# Allegro board 038RT-9068CJK8E-A100_0921_1.brd (continued)
## Routing (per net, layer and track width the routed paths; a pad name or vN(x,y) marks a point on that pad's centre or on a via; arc(x,y) is an arc through that point) (continued)
S3_U4PI_P5_MDI-: length 68.8
  L11_SIGNAL w0.1: v2(672.13,350.52) 672.33,350.32 676.33,350.32 676.86,350.85 676.86,351.54 674.8,353.6 674.8,357.15 673.58,358.37 667.81,358.37 666.6,359.58 666.6,362.66 667.68,363.73 675.72,363.73 680.25,359.21 680.25,353.79 681.34,352.7 687.97,352.7 688.58,352.08 688.58,344.3 688.27,343.99 686.43,343.99 686.33,343.89 UNK3MQS1.4
  BOTTOM w0.105: v2(672.13,350.52) 671.98,350.37 669.53,350.37 UNK3U17.48
S3_U4PI_P6_MDI+: length 50.4
  L11_SIGNAL w0.1: v2(672.13,346.76) 671.93,346.96 670.32,346.96 669.73,346.36 669.73,344.87 669.41,344.56 662.57,344.56 662.26,344.24 662.26,341.84 662.68,341.42 673.99,341.42 674.28,341.72 674.28,347.59 674.69,348 676.11,348 676.55,347.56 676.55,344.55 676.76,344.35 679.08,344.35 679.26,344.53 679.26,344.68 679.43,344.86 679.68,344.86 679.86,344.68 679.86,344.53 680.03,344.35 680.28,344.35 680.46,344.53 680.46,344.68 680.63,344.86 680.88,344.86 681.06,344.68 681.06,344.53 681.24,344.35 683.69,344.35 683.79,344.45 UNK3MQS1.12
  BOTTOM w0.105: UNK3U17.55 669.53,346.91 671.98,346.91 v2(672.13,346.76)
S3_U4PI_P6_MDI-: length 50.4
  L11_SIGNAL w0.1: v2(672.13,347.52) 671.93,347.32 670.17,347.32 669.36,346.51 669.36,345.02 669.26,344.92 662.42,344.92 661.89,344.39 661.89,341.69 662.53,341.06 674.14,341.06 674.65,341.57 674.65,347.44 674.84,347.63 675.96,347.63 676.19,347.4 676.19,344.4 676.61,343.99 683.69,343.99 683.79,343.89 UNK3MQS1.13
  BOTTOM w0.105: UNK3U17.54 669.53,347.37 671.98,347.37 v2(672.13,347.52)
S3_U4PILB_P0_MDI+: length 153.3
  L15_SIGNAL w0.1: v2(666.89,325.71) 666.69,325.91 665.75,325.91 665.36,326.29 665.36,327.33 665.82,327.79 668.57,327.79 669.49,328.7 669.49,335.57 668.1,336.96 657.96,336.96 657.27,336.27 657.27,314.9 656.08,313.71 649.78,313.71 648.69,314.8 648.69,354.66 650.59,356.56 655.35,356.56 657.15,354.76 657.15,342.33 659.42,340.06 666.79,340.06 669.49,342.76 669.49,346.06 669.99,346.56 669.99,351.76 668.8,352.96 667.09,352.96 v2(666.89,352.76)
  BOTTOM w0.105: v2(666.89,352.76) 667.04,352.91 669.49,352.91 UNK3U17.43 ; UNK3U18.59 669.49,325.86 667.04,325.86 v2(666.89,325.71)
S3_U4PILB_P0_MDI-: length 153.3
  L15_SIGNAL w0.1: v2(666.89,326.47) 666.69,326.27 665.9,326.27 665.73,326.44 665.73,327.18 665.97,327.43 668.72,327.43 669.85,328.55 669.85,335.72 668.25,337.32 657.81,337.32 656.91,336.42 656.91,315.05 655.93,314.08 649.93,314.08 649.05,314.95 649.05,354.51 650.74,356.19 655.2,356.19 656.78,354.61 656.78,342.18 659.27,339.69 666.94,339.69 669.85,342.61 669.85,345.91 670.36,346.41 670.36,351.91 668.95,353.32 667.09,353.32 v2(666.89,353.52)
  BOTTOM w0.105: v2(666.89,353.52) 667.04,353.37 669.49,353.37 UNK3U17.42 ; v2(666.89,326.47) 667.04,326.32 669.49,326.32 UNK3U18.58
S3_U4PILB_P1_MDI+: length 138.7
  L17_SIGNAL w0.1: v2(666.89,328.71) 667.09,328.91 668.87,328.91 669.18,328.6 669.18,323.47 668.41,322.7 664.46,322.7 663.78,322.02 663.78,317.73 664.54,316.98 674.11,316.98 674.72,317.59 674.72,338.03 675.21,338.52 676.01,338.52 676.34,338.19 676.34,332.21 676.87,331.68 678.43,331.68 678.85,332.11 678.85,339.43 678.07,340.21 678.07,359.45 677.61,359.91 675.42,359.91 674.85,359.35 674.85,341.47 674.1,340.71 670.33,340.71 669.48,341.57 669.48,354.04 668.75,354.77 666.82,354.77 666.33,355.26 666.33,355.86 666.43,355.96 666.69,355.96 v2(666.89,355.76)
  BOTTOM w0.105: UNK3U18.53 669.49,328.86 667.04,328.86 v2(666.89,328.71) ; UNK3U17.37 669.49,355.91 667.04,355.91 v2(666.89,355.76)
S3_U4PILB_P1_MDI-: length 138.7
  L17_SIGNAL w0.1: v2(666.89,356.52) 666.69,356.32 666.28,356.32 665.97,356.01 665.97,355.11 666.67,354.41 668.6,354.41 669.12,353.89 669.12,341.42 670.18,340.35 674.25,340.35 675.22,341.32 675.22,359.2 675.57,359.55 677.46,359.55 677.7,359.3 677.7,340.06 678.48,339.28 678.48,332.26 678.27,332.05 677.02,332.05 676.7,332.36 676.7,338.34 676.16,338.88 675.06,338.88 674.36,338.18 674.36,317.74 673.96,317.34 664.69,317.34 664.15,317.88 664.15,321.87 664.61,322.33 668.57,322.33 669.55,323.32 669.55,328.75 669.02,329.27 667.09,329.27 v2(666.89,329.47)
  BOTTOM w0.105: UNK3U18.52 669.49,329.32 667.04,329.32 v2(666.89,329.47) ; UNK3U17.36 669.49,356.37 667.04,356.37 v2(666.89,356.52)
S3_U4PILB_P5_MDI+: length 182.9
  L15_SIGNAL w0.1: v2(665.74,331.02) 665.55,331.22 664.56,331.22 663.87,331.91 662.27,331.91 661.82,331.46 661.82,320.97 662.67,320.12 672.42,320.12 672.9,319.63 672.9,316.07 672.08,315.25 667.22,315.25 666.76,314.79 666.76,311.93 667.09,311.6 672.76,311.6 673.65,310.71 673.65,309.42 672.88,308.65 647.7,308.65 646.49,309.86 646.49,358.39 647.6,359.5 661.29,359.5 662.05,358.75 662.05,342.24 662.67,341.62 663.98,341.62 664.33,341.97 664.33,345.65 665.09,346.41 667.13,346.41 667.55,346.83 668.33,346.83 668.62,347.11 668.62,349.58 667.93,350.27 665.94,350.27 v2(665.74,350.07)
  BOTTOM w0.105: v2(665.74,331.02) 665.89,331.17 667.92,331.17 668.6,331.86 669.49,331.86 UNK3U18.47 ; UNK3U17.47 669.49,350.91 668.6,350.91 667.92,350.22 665.89,350.22 v2(665.74,350.07)
S3_U4PILB_P5_MDI-: length 182.9
  L15_SIGNAL w0.1: v2(665.74,331.78) 665.55,331.58 664.71,331.58 664.02,332.27 662.12,332.27 661.46,331.61 661.46,320.81 662.52,319.75 672.27,319.75 672.54,319.48 672.54,316.23 671.93,315.62 667.07,315.62 666.39,314.94 666.39,311.78 666.94,311.24 672.61,311.24 673.29,310.56 673.29,309.57 672.73,309.02 647.85,309.02 646.86,310.01 646.86,358.24 647.75,359.14 661.14,359.14 661.69,358.6 661.69,342.09 662.52,341.26 664.13,341.26 664.69,341.82 664.69,345.49 665.24,346.04 667.28,346.04 667.7,346.46 668.49,346.46 668.98,346.96 668.98,349.73 668.08,350.63 665.94,350.63 v2(665.74,350.83)
  BOTTOM w0.105: v2(665.74,350.83) 665.89,350.69 667.73,350.69 668.41,351.37 669.49,351.37 UNK3U17.46 ; v2(665.74,331.78) 665.89,331.64 667.73,331.64 668.41,332.32 669.49,332.32 UNK3U18.46
S3_U4PILB_P6_MDI+: length 130.6
  L17_SIGNAL w0.1: v2(666.89,347.76) 666.69,347.96 665.9,347.96 665.8,347.86 665.8,340.71 665.34,340.24 657.64,340.24 656.61,341.26 656.61,358.84 656.07,359.38 653.08,359.38 652.52,358.82 652.52,319.85 653.66,318.71 655.18,318.71 655.91,319.44 655.91,321.08 656.47,321.63 657.61,321.63 658.25,321 658.25,318.98 658.51,318.71 660.82,318.71 661.51,319.4 661.51,336.6 662.2,337.29 664.87,337.29 665.57,336.6 669.6,336.6 669.95,336.25 669.95,334.27 669.59,333.91 667.09,333.91 v2(666.89,333.71)
  BOTTOM w0.105: v2(666.89,333.71) 667.04,333.86 669.49,333.86 UNK3U18.43 ; v2(666.89,347.76) 667.04,347.91 669.49,347.91 UNK3U17.53
S3_U4PILB_P6_MDI-: length 130.6
  L17_SIGNAL w0.1: v2(666.89,348.52) 666.69,348.32 665.75,348.32 665.44,348.01 665.44,340.86 665.18,340.6 657.79,340.6 656.98,341.42 656.98,358.99 656.22,359.75 652.93,359.75 652.16,358.97 652.16,319.7 653.5,318.35 655.33,318.35 656.28,319.29 656.28,320.93 656.62,321.27 657.46,321.27 657.88,320.85 657.88,318.83 658.36,318.35 660.97,318.35 661.87,319.25 661.87,336.45 662.35,336.93 664.72,336.93 665.42,336.24 669.45,336.24 669.59,336.1 669.59,334.42 669.44,334.27 667.09,334.27 v2(666.89,334.47)
  BOTTOM w0.105: UNK3U17.52 669.49,348.37 667.04,348.37 v2(666.89,348.52) ; v2(666.89,334.47) 667.04,334.32 669.49,334.32 UNK3U18.42
S3_U6_VDD: length 19.6
  BOTTOM w0.305: v2(660.46,169.34) 660.01,168.9 UNK3U6.15 ; v2(660.46,164.52) 660.34,164.4 UNK3U6.24 ; UNK3U6.2 v2(657.55,175.4) ; UNK3U6.20 v2(660.46,166.4) ; UNK3U6.8 v2(660.46,172.4) ; v2(660.46,160.84) 660.4,160.9 UNK3U6.31 ; v2(649.92,172.4) 650.42,171.9 UNK3U6.56 ; v2(649.92,164.2) 650.22,163.9 UNK3U6.40 ; UNK3U6.26 660.31,163.4 v2(660.46,163.25) ; UNK3U6.64 v2(652.8,175.9) ; UNK3U6.33 652.55,160.4 v2(652.8,160.15) ; v2(660.46,168.07) 660.13,168.4 UNK3U6.16 ; UNK3U6.11 v2(660.46,170.9)
  vias: v2(654.54,142.88) v2(655.81,142.88) v2(657.08,142.88) v2(658.35,142.88)
S3_U17_VDD: length 35.4
  BOTTOM w0.305: UNK3U18.56 670.99,327.34 v2(670.99,327.34) ; v2(670.99,346.39) 670.99,346.39 UNK3U17.56 ; UNK3U18.31 663.28,338.34 v2(663.28,338.34) ; UNK3U17.31 663.28,357.39 v2(663.28,357.39) ; v2(663.28,326.84) 663.28,326.84 UNK3U18.8 ; v2(663.28,354.89) 663.28,354.89 UNK3U17.26 ; v2(670.99,342.39) 670.99,342.39 UNK3U17.64 ; UNK3U17.16 662.99,349.89 v2(663.11,350.01) ; UNK3U18.33 668.03,338.84 v2(668.03,338.84) ; v2(663.24,342.77) 663.13,342.89 UNK3U17.2 ; UNK3U17.20 660.32,351.89 v2(660.32,351.89) ; UNK3U18.16 662.99,330.84 v2(663.11,330.96) ; v2(660.32,347.39) 660.32,347.39 UNK3U17.11 ; v2(660.32,328.34) 660.32,328.34 UNK3U18.11 ; UNK3U18.2 663.13,323.84 v2(663.24,323.72) ; v2(660.32,349.25) 660.46,349.39 UNK3U17.15 ; v2(660.32,332.84) 660.32,332.84 UNK3U18.20 ; v2(660.32,353.89) 660.32,353.89 UNK3U17.24 ; v2(663.28,345.89) 663.28,345.89 UNK3U17.8 ; UNK3U18.24 660.32,334.84 v2(660.32,334.84) ; UNK3U17.40 670.99,354.39 v2(670.99,354.39) ; UNK3U18.40 670.99,335.34 v2(670.99,335.34) ; v2(660.32,330.2) 660.46,330.34 UNK3U18.15 ; v2(663.28,335.84) 663.28,335.84 UNK3U18.26
  vias: v2(666.29,321.25) v2(667.56,321.25) v2(668.83,359.98) v2(668.83,321.25) v2(670.1,359.98) v2(670.1,321.25)
S3_VBAT:
  vias: v1(402.9,268.62) v2(531.44,447.57) v2(531.44,446.3) v2(531.44,445.03) v2(531.44,441.22) v2(531.44,438.04) v2(531.44,436.77) v2(531.44,435.5) v2(647.83,405.59) v2(647.83,403.05) v2(647.83,400.51) v2(650.37,405.59) v2(650.37,403.05) v2(650.37,400.51) v2(652.91,405.59) v2(652.91,403.05) v2(652.91,400.51) v2(655.45,405.59) v2(655.45,403.05) v2(655.45,400.51) v2(657.99,405.59) v2(657.99,403.05) v2(657.99,400.51) v2(660.53,405.59) v2(660.53,403.05) v2(660.53,400.51) v2(663.07,405.59) v2(663.07,403.05) v2(663.07,400.51)
S3_VO09: length 565.8
  TOP w0.115: v2(504.82,417.44) S3_VO09.1
  L19_SIGNAL w0.105: v2(504.82,417.44) 484.09,396.7 429.68,396.7 423.67,390.69 423.67,368.85 422.39,367.57 415.96,367.57 414.59,366.21 414.59,352.94 SLOT1-UP.E13
  L32_SIGNAL w0.102: 396.85,269.02 400.1,269.02 v1(400.5,268.62)
  L32_SIGNAL w0.105: v2(504.82,417.44) 516.94,405.32 516.94,283.01 515.2,281.26 515.2,242.76 511.39,238.95 445.67,238.95 422.77,261.85 422.77,268.61 412.87,278.51 406.28,278.51 390.75,294.03 364.78,294.03 358.06,287.32 358.06,283.66 v1(356.02,281.61) 357.92,279.71 377.59,279.71 384.69,272.61 392.87,272.61 396.46,269.02 396.85,269.02
  vias: v1(352.21,282.88) v1(352.21,281.61) v1(353.48,282.88) v1(353.48,281.61) v1(354.75,282.88) v1(354.75,281.61) v1(356.02,282.88) v2(503.55,419.98) v2(503.55,418.71) v2(503.55,417.44) v2(504.82,419.98) v2(504.82,418.71) v2(506.09,419.98) v2(506.09,418.71) v2(506.09,417.44)
S3_VSENSE:
  vias: v1(400.5,269.42)
S3_WAKE:
  vias: v1(400.5,266.22)
S3_WP: length 25.9
  L03_SIGNAL w0.102: v1(410.1,266.22) 410.5,265.82 412.92,265.82
  L03_SIGNAL w0.145: v1(435.24,266.53) 434.6,265.89 427.68,265.89 427.27,266.3 415.68,266.3 415.21,265.82 412.92,265.82
S_SEL1_K144: length 1003.4
  L24_RLY w0.203: v1(644.93,276.31) 644.79,276.17 644.79,264.54 648.08,261.25 648.08,236.89 644.93,233.75 v1(644.93,225.51) ; v1(50.35,235.76) 51.01,236.42 51.01,238.4 48.88,240.54 48.88,276.05 45.66,279.26 v1(45.66,282.49)
  L38_SIGNAL w0.203: v1(640.24,221.44) 639.3,220.5 639.3,217.8 635.49,213.99 635.49,179.07 627.08,170.66 559.77,170.66 538.01,148.89 538.01,89.59 522.33,73.91 122.79,73.91 106.54,90.17 83.04,90.17 77.33,95.88 77.33,118.75 76.06,120.02 76.06,167.64 70.98,172.72 57.64,172.72 49.01,181.36 49.01,227.36 45.66,230.7 v1(45.66,231.69) 47.48,233.51 47.48,234.31 48.93,235.76 v1(50.35,235.76)
  L42_SIGNAL w0.203: v1(644.93,276.31) 644.93,273.98 643.34,272.39 640.39,272.39 v1(640.24,272.24) ; v1(45.66,282.49) 45.66,284.74 47.48,286.56 50.35,286.56 v1(50.35,286.56) ; v1(644.93,225.51) 644.93,222.9 643.77,221.74 640.54,221.74 v1(640.24,221.44)
  BOTTOM w0.115: UNK2K144.17 v1(45.66,282.49) ; UNK1K144.17 v1(644.93,225.51) ; UNK3K144.17 v1(644.93,276.31) ; K144.17 v1(45.66,231.69)
  BOTTOM w0.203: K144.8 47.65,236.72 48.62,235.76 50.34,235.76 RL10.2 ; v1(640.24,272.24) 641.98,272.24 642.94,271.28 UNK3K144.8 ; v1(640.24,221.44) 641.98,221.44 642.94,220.48 UNK1K144.8 ; UNK2K144.8 47.65,287.52 48.62,286.56 v1(50.35,286.56)
  BOTTOM w0.254: v1(50.35,235.76) 50.37,235.74 RU7.2
S_SEL1_K184: length 852.8
  L24_RLY w0.203: v1(140.51,274.54) 140.51,274.46 138.64,272.59 138.64,245.49 136.05,242.9 136.05,229.84 139.1,226.8 141.69,226.8 143.54,224.94 143.54,221.46 v1(142.86,220.78) ; v1(547.73,251.66) 547.61,251.66 547.02,251.08 547.02,246.13 548.73,244.42 553.15,244.42 554.03,243.54 554.03,229.69 554.97,228.75 554.97,219.2 555.61,218.57 555.61,209.78 554.97,209.14 554.97,200.51 554.08,199.62 551.81,199.62 v1(550.08,197.9)
  L38_SIGNAL w0.203: v1(550.08,197.9) 552.34,200.15 554.69,200.15 556.14,201.6 560.92,201.6 562.48,200.04 562.48,182.26 558.66,178.44 532.62,178.44 510.6,156.41 510.6,89.1 504.68,83.19 189.24,83.19 182.1,90.32 182.1,156.84 157.82,181.12 133.69,181.12 131.56,183.26 131.56,191.61 136.34,196.4 144.24,196.4 145.78,197.94 145.78,211.58 143.96,213.4 141.65,213.4 v1(140.51,214.54)
  L42_SIGNAL w0.203: v1(140.51,214.54) 140.6,214.63 140.6,216.78 142.86,219.04 v1(142.86,220.78) ; v1(547.73,191.66) 547.73,193.4 550,195.66 550,197.81 v1(550.08,197.9) ; v1(140.51,274.54) 140.6,274.63 140.6,276.78 142.86,279.04 v1(142.86,280.78) ; v1(547.73,251.66) 547.73,253.4 550,255.66 550,257.81 v1(550.08,257.9)
  BOTTOM w0.115: UNK3K184.8 550.12,251.16 549.34,251.94 548.02,251.94 v1(547.73,251.66) ; v1(550.08,257.9) 550.08,256.6 551.03,255.66 UNK3K184.17 ; v1(142.86,220.78) 142.58,220.5 141.26,220.5 140.48,221.28 K184.8 ; UNK2K184.17 139.57,276.78 140.51,275.84 v1(140.51,274.54) ; v1(550.08,197.9) 550.08,196.6 551.03,195.66 UNK1K184.17 ; v1(142.86,280.78) 142.58,280.5 141.26,280.5 140.48,281.28 UNK2K184.8 ; UNK1K184.8 550.12,191.16 549.34,191.94 548.02,191.94 v1(547.73,191.66)
  BOTTOM w0.254: v1(140.51,214.54) 140.64,214.68 RL19.2 140.64,215.7 139.57,216.78 K184.17
S_SEL1_K213: length 380.1
  L24_RLY w0.203: v1(257.54,188.82) 257.54,193.93 255.38,196.09 255.38,216.41 254.62,217.17 254.62,231.65 255.38,232.41 255.38,241.97 v1(254.76,242.59) 255.34,243.17 256.84,243.17 257.3,243.63 257.3,248.59 v1(257.54,248.82) ; v1(441.97,259.35) 441.63,259.35 441.16,259.82 440.78,259.82 440.31,259.35 440.11,259.35 439.19,258.44 v1(439.19,253.12) 439.19,236.18 443.52,231.85 443.52,200.9 v1(441.97,199.35)
  L40_SIGNAL w0.203: v1(257.54,188.82) 257.54,186.82 259.06,185.29 259.06,179.58 265.03,173.61 426.7,173.61 437.12,184.02 437.12,191.04 v1(439.19,193.12)
  L42_SIGNAL w0.203: v1(441.97,199.35) 441.97,197.25 439.67,194.95 439.67,193.6 v1(439.19,193.12) ; v1(257.54,188.82) 257.06,188.34 257.06,186.99 254.76,184.69 v1(254.76,182.59)
  BOTTOM w0.115: K213.17 253.82,184.82 254.41,184.23 254.45,184.23 254.81,183.86 254.89,183.86 ; v1(439.19,193.12) 439.47,193.4 441.23,193.4 442,192.62 UNK1K213.8 ; UNK3K213.8 442,252.62 441.23,253.4 439.47,253.4 v1(439.19,253.12) ; UNK1K213.17 442.91,197.12 441.97,198.06 v1(441.97,199.35) ; 254.89,183.86 254.76,183.74 v1(254.76,182.59) ; 254.89,183.86 RL41.2 ; v1(257.54,188.82) 257.26,188.54 255.5,188.54 254.73,189.32 K213.8 ; UNK3K213.17 442.91,257.12 441.97,258.06 v1(441.97,259.35) ; v1(254.76,242.59) 254.76,243.88 253.82,244.82 UNK2K213.17 ; UNK2K213.8 254.73,249.32 255.5,248.54 257.26,248.54 v1(257.54,248.82)
S_SEL1_K214: length 813.8
  L24_RLY w0.203: v1(234.9,248.82) 234.08,248.01 232.24,248.01 230.87,246.63 230.87,235.71 228.58,233.43 228.58,219.46 222.12,213 222.12,202.08 217.3,197.25 217.3,195.62 v1(218.9,194.03) 219.45,194.03 222.74,197.31 227.07,197.31 231.2,193.18 231.2,188.52 231.76,187.96 234.03,187.96 v1(234.9,188.82) ; v1(461.84,253.12) 461.35,252.63 461.35,249.84 464.55,246.63 464.55,197.79 461.84,195.07 v1(461.84,193.12)
  L38_SIGNAL w0.203: v1(234.9,188.82) 234.88,188.81 234.88,181.41 232.55,179.07 220.2,179.07 205.59,193.68 141.64,193.68 139.12,191.16 139.12,183.52 140.03,182.61 158.88,182.61 184.63,156.86 184.63,94 192.9,85.72 468.94,85.72 477.2,93.98 477.2,150.88 460.59,167.49 460.59,192.07 461.63,193.12 v1(461.84,193.12)
  BOTTOM w0.115: v1(234.9,188.82) 234.62,188.54 233.29,188.54 232.51,189.32 K214.8 ; UNK3K214.8 464.22,252.62 463.44,253.4 462.11,253.4 v1(461.84,253.12) ; v1(461.84,193.12) 462.11,193.4 463.44,193.4 464.22,192.62 UNK1K214.8 ; UNK2K214.8 232.51,249.32 233.29,248.54 234.62,248.54 v1(234.9,248.82)
  BOTTOM w0.254: v1(218.9,194.03) 218.9,194.02 RU30.2
S_SEL1_K217: length 812.7
  L24_RLY w0.203: v1(550.4,206.82) 550.06,207.15 547.74,207.15 545.96,208.94 545.96,227.41 543.14,230.23 543.14,243.08 544.79,244.73 544.79,254.76 547.43,257.4 547.43,263.84 v1(550.4,266.82) ; v1(140.19,205.62) 141.9,207.33 v1(142.81,207.33) 142.81,212.05 145.96,215.19 145.96,224.87 143.16,227.66 139.2,227.66 136.71,230.16 136.71,242.44 139.39,245.12 139.39,264.82 v1(140.19,265.62)
  L38_SIGNAL w0.203: v1(550.4,206.82) 551.43,206.82 552.59,205.66 556.19,205.66 558.76,203.1 560.59,203.1 564.37,199.31 564.37,189.23 563.31,188.16 563.31,181.38 559.09,177.16 532.62,177.16 511.87,156.41 511.87,88.46 503.74,80.34 190.71,80.34 179.79,91.26 179.79,156.62 157.59,178.82 134.1,178.82 129.02,183.9 129.02,190.12 136.02,197.12 143.83,197.12 144.76,198.06 144.76,205.38 v1(142.81,207.33)
  BOTTOM w0.115: K217.8 139.69,205.12 v1(140.19,205.62) ; v1(550.4,206.82) 550.9,207.32 UNK1K217.8 ; v1(550.4,266.82) 550.9,267.32 UNK3K217.8 ; UNK2K217.8 139.69,265.12 v1(140.19,265.62)
  BOTTOM w0.254: v1(142.81,207.33) 142.81,207.33 RU25.2
S_SEL2_K214: length 799.7
  L24_RLY w0.203: v1(233.55,242.59) 232.41,242.59 231.63,241.81 231.63,235.46 229.35,233.17 229.35,218.95 226.63,216.23 226.63,201.5 237.7,190.42 237.7,185.7 236.66,184.66 234.62,184.66 v1(232.55,182.59) ; v1(463.18,259.35) 462.67,259.86 460.5,259.86 458.71,258.06 458.71,250.7 463.18,246.22 v1(463.18,199.35)
  L38_SIGNAL w0.203: v1(463.18,199.35) 465.82,196.71 465.82,166.47 478.6,153.7 478.6,91.59 471.46,84.46 192.9,84.46 183.36,94 183.36,156.86 158.32,181.9 138.54,181.9 137.96,182.47 137.96,191.41 141.11,194.55 207.26,194.55 221.47,180.34 230.3,180.34 v1(232.55,182.59)
  BOTTOM w0.115: UNK1K214.17 464.55,197.12 464.18,197.49 464.18,198.35 v1(463.18,199.35) ; K214.17 232.18,184.82 232.7,184.3 RL43.2 232.57,183.85 232.57,182.61 v1(232.55,182.59) ; v1(463.18,259.35) 464.18,258.35 464.18,257.49 464.55,257.12 UNK3K214.17 ; UNK2K214.17 232.18,244.82 232.55,244.45 232.55,243.59 v1(233.55,242.59)
SC_COMP_BST1: length 9.3
  TOP w0.115: BST1.3 26.26,388.76 26.92,388.1 28.17,388.1 28.78,387.49 CC1.1 30.53,384.71 RC1.1
SC_COMP_RC_BST1: length 2
  TOP w0.115: CC2.1 29.25,383.14 RC1.2
SC_CS_BST1: length 6.1
  TOP w0.115: BST1.8 26.26,397.82 25.44,398.64 RS2.2
SC_CTRL_A0: length 409
  L07_SIGNAL w0.105: v1(335.6,195.97) 335.6,197.22 335.08,197.74 335.08,206.27 335.6,206.79 v1(335.6,207.4) 335.6,208.65 335.08,209.17 335.08,217.7 335.6,218.22 v1(335.6,218.83) 335.6,220.08 335.08,220.6 335.08,229.13 335.6,229.65 v1(335.6,230.26) 335.6,239.3 336.4,240.1 336.4,240.89 v1(335.6,241.69) 335.6,250.25 336.13,250.77 336.13,252.59 v1(335.6,253.12) 335.6,262.06 336.25,262.71 336.25,263.9 v1(335.6,264.55) 335.6,273.13 336.15,273.69 336.15,275.43 v1(335.6,275.98) v1(324.22,275.98) 324.98,275.23 324.98,274.24 324.17,273.44 v1(324.17,264.55) 324.85,263.87 324.85,262.25 324.17,261.58 v1(324.17,253.12) 324.75,252.54 324.75,251.21 324.17,250.63 v1(324.17,241.69) 324.65,241.22 324.65,239.62 323.85,238.82 v1(323.85,230.26) 323.85,229.65 323.33,229.13 323.33,220.6 323.85,220.08 v1(323.85,218.83) 323.85,218.22 323.33,217.7 323.33,209.17 323.85,208.65 v1(323.85,207.4) 323.85,206.79 323.33,206.27 323.33,197.74 323.85,197.22 v1(323.85,195.97)
  L21_SIGNAL w0.105: v1(335.6,230.26) 335.6,238.5 336.27,239.17 336.27,241.02 v1(335.6,241.69) ; v1(335.6,207.4) 335.6,215.96 336.32,216.68 336.32,218.11 v1(335.6,218.83) ; v1(335.6,253.12) 334.27,253.12 332.93,254.46 325.51,254.46 v1(324.17,253.12)
  L34_SIGNAL w0.105: SLOT1-UP.B27 418.02,380.7 358.2,380.7 351.34,373.85 351.34,332.26 336.27,317.19 336.27,281.62 335.6,280.95 v1(335.6,275.98)
  BOTTOM w0.115: v1(324.17,253.12) MUX8.15 ; v1(335.6,207.4) MUX6.15 ; v1(324.17,241.69) MUX4.15 ; v1(324.17,264.55) MUX11.15 ; v1(335.6,195.97) MUX9.15 ; v1(335.6,241.69) MUX7.15 ; v1(323.85,195.97) MUX2.15 ; v1(324.22,275.98) MUX3.15 ; v1(335.6,230.26) MUX13.15 ; v1(335.6,275.98) MUX1.15 ; v1(335.6,218.83) MUX14.15 ; v1(335.6,264.55) MUX12.15 ; v1(323.85,218.83) MUX15.15 ; v1(335.6,253.12) MUX10.15 ; v1(323.85,230.26) MUX16.15 ; v1(323.85,207.4) MUX5.15
SC_CTRL_A1: length 383.8
  L07_SIGNAL w0.105: v1(323.33,275.33) 323.33,266.78 322.69,266.14 322.69,264.49 v1(323.28,263.9) 323.28,255.33 322.67,254.71 322.67,253.09 v1(323.28,252.47) 323.28,243.67 322.64,243.03 322.64,241.68 v1(323.28,241.04) 322.36,240.12 322.36,230.21 v1(322.96,229.61) 322.41,229.06 322.41,218.73 v1(322.96,218.18) 322.41,217.63 322.41,207.72 322.96,207.18 v1(322.96,206.75) 322.41,206.2 322.41,196.29 322.96,195.75 v1(322.96,195.32) v1(334.71,195.32) 334.71,195.75 334.17,196.29 334.17,206.2 v1(334.71,206.75) 334.71,207.18 334.17,207.72 334.17,217.63 v1(334.71,218.18) 334.71,218.61 334.17,219.15 334.17,229.06 v1(334.71,229.61) 334.71,229.86 334.12,230.45 334.12,240.44 v1(334.71,241.04) 333.89,241.86 333.89,243.13 334.71,243.95 v1(334.71,252.47) 334.07,253.11 334.07,254.58 334.71,255.23 v1(334.71,263.9) 334.12,264.49 334.12,266.04 334.71,266.63 v1(334.71,275.33)
  L34_SIGNAL w0.105: v1(334.71,275.33) 336.55,275.33 337.59,276.37 337.59,314.58 354.15,331.14 354.15,375.34 358.66,379.85 414.87,379.85 SLOT1-UP.D27
  BOTTOM w0.115: v1(323.28,263.9) MUX11.14 ; v1(323.28,241.04) MUX4.14 ; v1(334.71,218.18) MUX14.14 ; v1(322.96,206.75) MUX5.14 ; v1(322.96,195.32) MUX2.14 ; v1(334.71,241.04) MUX7.14 ; v1(334.71,206.75) MUX6.14 ; v1(334.71,275.33) MUX1.14 ; v1(322.96,218.18) MUX15.14 ; v1(334.71,229.61) MUX13.14 ; v1(334.71,252.47) MUX10.14 ; v1(323.28,252.47) MUX8.14 ; v1(322.96,229.61) MUX16.14 ; v1(334.71,195.32) MUX9.14 ; v1(334.71,263.9) MUX12.14 ; v1(323.33,275.33) MUX3.14
SC_FB_BST1: length 49.3
  TOP w0.115: v2(26.28,383.61) CC1.2 25.76,386.99 BST1.2 ; v2(10.04,377.9) RFB1.1
  L03_SIGNAL w0.145: v2(26.28,383.61) 22.06,379.39 11.54,379.39 v2(10.04,377.9)
  L07_SIGNAL w0.105: 28.78,383.61 v2(26.28,383.61) 17.29,383.61 11.57,377.9 v2(10.04,377.9)
SC_OUT_BST1: length 11.3
  TOP w0.115: v2(19.59,390.66) 19.99,390.26 MOS1.4 ; v2(28.21,390.44) 27.49,390.44 27.3,390.63 BST1.5
  L03_SIGNAL w0.145: v2(28.21,390.44) 19.81,390.44 v2(19.59,390.66)
SC_R_CS_BST1: length 4.1
  TOP w0.115: RS1.1 CSNS1.1 19.17,397.58 20.01,397.58 RS2.1
SC_RT_BST1: length 2.5
  TOP w0.115: 25.76,397.31 RT1.1 ; 25.76,397.31 25.76,397.48 25.77,397.49 ; 25.76,397.31 BST1.9
SC_SS_BST1: length 3.2
  TOP w0.115: BST1.10 25.22,396.11 24.83,396.5 CSS1.1
SC_UVLO_BST1: length 3.4
  TOP w0.115: BST1.7 26.76,397.31 RUV2.2 28.06,397.53 RUV1.1
SC_VBAT_HV:
  vias: v2(4.98,392.63) v2(4.98,390.09) v2(7.52,392.63) v2(7.52,390.09) v2(7.66,386.79) v2(7.66,385.52) v2(7.66,384.25) v2(7.66,382.98) v2(7.66,381.71) v2(8.93,386.79) v2(8.93,385.52) v2(8.93,384.25) v2(8.93,382.98) v2(8.93,381.71) v2(10.06,392.63) v2(10.06,390.09) v2(10.2,386.79) v2(10.2,385.52) v2(10.2,384.25) v2(10.2,382.98) v2(10.2,381.71) v2(11.47,386.79) v2(11.47,385.52) v2(11.47,384.25) v2(11.47,382.98) v2(11.47,381.71) v2(12.6,390.21) v2(12.6,388.94) v2(12.74,386.79) v2(12.74,385.52) v2(12.74,384.25) v2(12.74,382.98) v2(12.74,381.71)
SC_VCC_BST1: length 6.6
  TOP w0.115: BST1.4 26.74,390.92 26.74,389.5 27.42,388.82 29.28,388.82 30.53,387.56 CF1.1
SC_VIN_BST1: length 0.3
  TOP w0.3: RUV2.1 v2(26.97,398.46)
SC_VSS_MUX1: length 3.7
  BOTTOM w0.356: CM1.1 MUX1.1 337.67,276.63 MUX1.EP
SC_VSS_MUX2: length 3.7
  BOTTOM w0.356: CM2.1 MUX2.1 325.92,196.62 MUX2.EP
SC_VSS_MUX3: length 3.7
  BOTTOM w0.356: CM3.1 MUX3.1 326.3,276.63 MUX3.EP
SC_VSS_MUX4: length 3.7
  BOTTOM w0.356: CM4.1 MUX4.1 326.24,242.34 MUX4.EP
SC_VSS_MUX5: length 3.7
  BOTTOM w0.356: CM5.1 MUX5.1 325.92,208.05 MUX5.EP
SC_VSS_MUX6: length 3.7
  BOTTOM w0.356: MUX6.EP 337.67,208.05 MUX6.1 CM6.1
SC_VSS_MUX7: length 3.7
  BOTTOM w0.356: MUX7.EP 337.67,242.34 MUX7.1 CM7.1
SC_VSS_MUX8: length 3.7
  BOTTOM w0.356: MUX8.EP 326.24,253.77 MUX8.1 CM8.1
SC_VSS_MUX9: length 3.7
  BOTTOM w0.356: CM9.1 MUX9.1 337.67,196.62 MUX9.EP
SC_VSS_MUX10: length 3.7
  BOTTOM w0.356: CM10.1 MUX10.1 337.67,253.77 MUX10.EP
SC_VSS_MUX11: length 3.7
  BOTTOM w0.356: CM11.1 MUX11.1 326.24,265.2 MUX11.EP
SC_VSS_MUX12: length 3.7
  BOTTOM w0.356: CM12.1 MUX12.1 337.67,265.2 MUX12.EP
SC_VSS_MUX13: length 3.7
  BOTTOM w0.356: CM13.1 MUX13.1 337.67,230.91 MUX13.EP
SC_VSS_MUX14: length 3.7
  BOTTOM w0.356: CM14.1 MUX14.1 337.67,219.48 MUX14.EP
SC_VSS_MUX15: length 3.7
  BOTTOM w0.356: MUX15.EP 325.92,219.48 MUX15.1 CM15.1
SC_VSS_MUX16: length 3.7
  BOTTOM w0.356: MUX16.EP 325.92,230.91 MUX16.1 CM16.1
SG0_1_P0_MDI+: length 2.5
  TOP w0.105: T2.1 62.51,192.6 61.09,192.6
  TOP w0.115: C180.1 61.09,192.6
SG0_1_P0_MDI-: length 2.6
  TOP w0.105: 61.09,192.13 62.39,192.13 T2.2
  TOP w0.115: C179.1 61.09,192.13
SG0_1_P1_MDI+: length 2.5
  TOP w0.105: 61.09,187.39 62.51,187.39 T3.1